# Allegro board LED_FIN.brd (continued)
## Placement (name value [footprint] x y rotation side) (continued)
D1530  0603_LED  [0603_SINGLE]  155.25 368 0 top
D1531  0603_LED  [0603_SINGLE]  97.25 366 0 top
D1532  0603_LED  [0603_SINGLE]  99.25 366 0 top
D1533  0603_LED  [0603_SINGLE]  101.25 366 0 top
D1534  0603_LED  [0603_SINGLE]  103.25 366 0 top
D1535  0603_LED  [0603_SINGLE]  105.25 366 0 top
D1536  0603_LED  [0603_SINGLE]  107.25 366 0 top
D1537  0603_LED  [0603_SINGLE]  109.25 366 0 top
D1538  0603_LED  [0603_SINGLE]  111.25 366 0 top
D1539  0603_LED  [0603_SINGLE]  113.25 366 0 top
D1540  0603_LED  [0603_SINGLE]  115.25 366 0 top
D1541  0603_LED  [0603_SINGLE]  117.25 366 0 top
D1542  0603_LED  [0603_SINGLE]  119.25 366 0 top
D1543  0603_LED  [0603_SINGLE]  121.25 366 0 top
D1544  0603_LED  [0603_SINGLE]  123.25 366 0 top
D1545  0603_LED  [0603_SINGLE]  125.25 366 0 top
D1546  0603_LED  [0603_SINGLE]  127.25 366 0 top
D1547  0603_LED  [0603_SINGLE]  129.25 366 0 top
D1548  0603_LED  [0603_SINGLE]  131.25 366 0 top
D1549  0603_LED  [0603_SINGLE]  133.25 366 0 top
D1550  0603_LED  [0603_SINGLE]  135.25 366 0 top
D1551  0603_LED  [0603_SINGLE]  137.25 366 0 top
D1552  0603_LED  [0603_SINGLE]  139.25 366 0 top
D1553  0603_LED  [0603_SINGLE]  141.25 366 0 top
D1554  0603_LED  [0603_SINGLE]  143.25 366 0 top
D1555  0603_LED  [0603_SINGLE]  145.25 366 0 top
D1556  0603_LED  [0603_SINGLE]  147.25 366 0 top
D1557  0603_LED  [0603_SINGLE]  149.25 366 0 top
D1558  0603_LED  [0603_SINGLE]  151.25 366 0 top
D1559  0603_LED  [0603_SINGLE]  153.25 366 0 top
D1560  0603_LED  [0603_SINGLE]  155.25 366 0 top
D1561  0603_LED  [0603_SINGLE]  97.25 364 0 top
D1562  0603_LED  [0603_SINGLE]  99.25 364 0 top
D1563  0603_LED  [0603_SINGLE]  101.25 364 0 top
D1564  0603_LED  [0603_SINGLE]  103.25 364 0 top
D1565  0603_LED  [0603_SINGLE]  105.25 364 0 top
D1566  0603_LED  [0603_SINGLE]  107.25 364 0 top
D1567  0603_LED  [0603_SINGLE]  109.25 364 0 top
D1568  0603_LED  [0603_SINGLE]  111.25 364 0 top
D1569  0603_LED  [0603_SINGLE]  113.25 364 0 top
D1570  0603_LED  [0603_SINGLE]  115.25 364 0 top
D1571  0603_LED  [0603_SINGLE]  117.25 364 0 top
D1572  0603_LED  [0603_SINGLE]  119.25 364 0 top
D1573  0603_LED  [0603_SINGLE]  121.25 364 0 top
D1574  0603_LED  [0603_SINGLE]  123.25 364 0 top
D1575  0603_LED  [0603_SINGLE]  125.25 364 0 top
D1576  0603_LED  [0603_SINGLE]  127.25 364 0 top
D1577  0603_LED  [0603_SINGLE]  129.25 364 0 top
D1578  0603_LED  [0603_SINGLE]  131.25 364 0 top
D1579  0603_LED  [0603_SINGLE]  133.25 364 0 top
D1580  0603_LED  [0603_SINGLE]  135.25 364 0 top
D1581  0603_LED  [0603_SINGLE]  137.25 364 0 top
D1582  0603_LED  [0603_SINGLE]  139.25 364 0 top
D1583  0603_LED  [0603_SINGLE]  141.25 364 0 top
D1584  0603_LED  [0603_SINGLE]  143.25 364 0 top
D1585  0603_LED  [0603_SINGLE]  145.25 364 0 top
D1586  0603_LED  [0603_SINGLE]  147.25 364 0 top
D1587  0603_LED  [0603_SINGLE]  149.25 364 0 top
D1588  0603_LED  [0603_SINGLE]  151.25 364 0 top
D1589  0603_LED  [0603_SINGLE]  153.25 364 0 top
D1590  0603_LED  [0603_SINGLE]  155.25 364 0 top
D1591  0603_LED  [0603_SINGLE]  97.25 362 0 top
D1592  0603_LED  [0603_SINGLE]  99.25 362 0 top
D1593  0603_LED  [0603_SINGLE]  101.25 362 0 top
D1594  0603_LED  [0603_SINGLE]  103.25 362 0 top
D1595  0603_LED  [0603_SINGLE]  105.25 362 0 top
D1596  0603_LED  [0603_SINGLE]  107.25 362 0 top
D1597  0603_LED  [0603_SINGLE]  109.25 362 0 top
D1598  0603_LED  [0603_SINGLE]  111.25 362 0 top
D1599  0603_LED  [0603_SINGLE]  113.25 362 0 top
D1600  0603_LED  [0603_SINGLE]  115.25 362 0 top
D1601  0603_LED  [0603_SINGLE]  117.25 362 0 top
D1602  0603_LED  [0603_SINGLE]  119.25 362 0 top
D1603  0603_LED  [0603_SINGLE]  121.25 362 0 top
D1604  0603_LED  [0603_SINGLE]  123.25 362 0 top
D1605  0603_LED  [0603_SINGLE]  125.25 362 0 top
D1606  0603_LED  [0603_SINGLE]  127.25 362 0 top
D1607  0603_LED  [0603_SINGLE]  129.25 362 0 top
D1608  0603_LED  [0603_SINGLE]  131.25 362 0 top
D1609  0603_LED  [0603_SINGLE]  133.25 362 0 top
D1610  0603_LED  [0603_SINGLE]  135.25 362 0 top
D1611  0603_LED  [0603_SINGLE]  137.25 362 0 top
D1612  0603_LED  [0603_SINGLE]  139.25 362 0 top
D1613  0603_LED  [0603_SINGLE]  141.25 362 0 top
D1614  0603_LED  [0603_SINGLE]  143.25 362 0 top
D1615  0603_LED  [0603_SINGLE]  145.25 362 0 top
D1616  0603_LED  [0603_SINGLE]  147.25 362 0 top
D1617  0603_LED  [0603_SINGLE]  149.25 362 0 top
D1618  0603_LED  [0603_SINGLE]  151.25 362 0 top
D1619  0603_LED  [0603_SINGLE]  153.25 362 0 top
D1620  0603_LED  [0603_SINGLE]  155.25 362 0 top
D1621  0603_LED  [0603_SINGLE]  97.25 360 0 top
D1622  0603_LED  [0603_SINGLE]  99.25 360 0 top
D1623  0603_LED  [0603_SINGLE]  101.25 360 0 top
D1624  0603_LED  [0603_SINGLE]  103.25 360 0 top
D1625  0603_LED  [0603_SINGLE]  105.25 360 0 top
D1626  0603_LED  [0603_SINGLE]  107.25 360 0 top
D1627  0603_LED  [0603_SINGLE]  109.25 360 0 top
D1628  0603_LED  [0603_SINGLE]  111.25 360 0 top
D1629  0603_LED  [0603_SINGLE]  113.25 360 0 top
D1630  0603_LED  [0603_SINGLE]  115.25 360 0 top
D1631  0603_LED  [0603_SINGLE]  117.25 360 0 top
D1632  0603_LED  [0603_SINGLE]  119.25 360 0 top
D1633  0603_LED  [0603_SINGLE]  121.25 360 0 top
D1634  0603_LED  [0603_SINGLE]  123.25 360 0 top
D1635  0603_LED  [0603_SINGLE]  125.25 360 0 top
D1636  0603_LED  [0603_SINGLE]  127.25 360 0 top
D1637  0603_LED  [0603_SINGLE]  129.25 360 0 top
D1638  0603_LED  [0603_SINGLE]  131.25 360 0 top
D1639  0603_LED  [0603_SINGLE]  133.25 360 0 top
D1640  0603_LED  [0603_SINGLE]  135.25 360 0 top
D1641  0603_LED  [0603_SINGLE]  137.25 360 0 top
D1642  0603_LED  [0603_SINGLE]  139.25 360 0 top
D1643  0603_LED  [0603_SINGLE]  141.25 360 0 top
D1644  0603_LED  [0603_SINGLE]  143.25 360 0 top
D1645  0603_LED  [0603_SINGLE]  145.25 360 0 top
D1646  0603_LED  [0603_SINGLE]  147.25 360 0 top
D1647  0603_LED  [0603_SINGLE]  149.25 360 0 top
D1648  0603_LED  [0603_SINGLE]  151.25 360 0 top
D1649  0603_LED  [0603_SINGLE]  153.25 360 0 top
D1650  0603_LED  [0603_SINGLE]  155.25 360 0 top
D1651  0603_LED  [0603_SINGLE]  97.25 358 0 top
D1652  0603_LED  [0603_SINGLE]  99.25 358 0 top
D1653  0603_LED  [0603_SINGLE]  101.25 358 0 top
D1654  0603_LED  [0603_SINGLE]  103.25 358 0 top
D1655  0603_LED  [0603_SINGLE]  105.25 358 0 top
D1656  0603_LED  [0603_SINGLE]  107.25 358 0 top
D1657  0603_LED  [0603_SINGLE]  109.25 358 0 top
D1658  0603_LED  [0603_SINGLE]  111.25 358 0 top
D1659  0603_LED  [0603_SINGLE]  113.25 358 0 top
D1660  0603_LED  [0603_SINGLE]  115.25 358 0 top
D1661  0603_LED  [0603_SINGLE]  117.25 358 0 top
D1662  0603_LED  [0603_SINGLE]  119.25 358 0 top
D1663  0603_LED  [0603_SINGLE]  121.25 358 0 top
D1664  0603_LED  [0603_SINGLE]  123.25 358 0 top
D1665  0603_LED  [0603_SINGLE]  125.25 358 0 top
D1666  0603_LED  [0603_SINGLE]  127.25 358 0 top
D1667  0603_LED  [0603_SINGLE]  129.25 358 0 top
D1668  0603_LED  [0603_SINGLE]  131.25 358 0 top
D1669  0603_LED  [0603_SINGLE]  133.25 358 0 top
D1670  0603_LED  [0603_SINGLE]  135.25 358 0 top
D1671  0603_LED  [0603_SINGLE]  137.25 358 0 top
D1672  0603_LED  [0603_SINGLE]  139.25 358 0 top
D1673  0603_LED  [0603_SINGLE]  141.25 358 0 top
D1674  0603_LED  [0603_SINGLE]  143.25 358 0 top
D1675  0603_LED  [0603_SINGLE]  145.25 358 0 top
D1676  0603_LED  [0603_SINGLE]  147.25 358 0 top
D1677  0603_LED  [0603_SINGLE]  149.25 358 0 top
D1678  0603_LED  [0603_SINGLE]  151.25 358 0 top
D1679  0603_LED  [0603_SINGLE]  153.25 358 0 top
D1680  0603_LED  [0603_SINGLE]  155.25 358 0 top
D1681  0603_LED  [0603_SINGLE]  97.25 356 0 top
D1682  0603_LED  [0603_SINGLE]  99.25 356 0 top
D1683  0603_LED  [0603_SINGLE]  101.25 356 0 top
D1684  0603_LED  [0603_SINGLE]  103.25 356 0 top
D1685  0603_LED  [0603_SINGLE]  105.25 356 0 top
D1686  0603_LED  [0603_SINGLE]  107.25 356 0 top
D1687  0603_LED  [0603_SINGLE]  109.25 356 0 top
D1688  0603_LED  [0603_SINGLE]  111.25 356 0 top
D1689  0603_LED  [0603_SINGLE]  113.25 356 0 top
D1690  0603_LED  [0603_SINGLE]  115.25 356 0 top
D1691  0603_LED  [0603_SINGLE]  117.25 356 0 top
D1692  0603_LED  [0603_SINGLE]  119.25 356 0 top
D1693  0603_LED  [0603_SINGLE]  121.25 356 0 top
D1694  0603_LED  [0603_SINGLE]  123.25 356 0 top
D1695  0603_LED  [0603_SINGLE]  125.25 356 0 top
D1696  0603_LED  [0603_SINGLE]  127.25 356 0 top
D1697  0603_LED  [0603_SINGLE]  129.25 356 0 top
D1698  0603_LED  [0603_SINGLE]  131.25 356 0 top
D1699  0603_LED  [0603_SINGLE]  133.25 356 0 top
D1700  0603_LED  [0603_SINGLE]  135.25 356 0 top
D1701  0603_LED  [0603_SINGLE]  137.25 356 0 top
D1702  0603_LED  [0603_SINGLE]  139.25 356 0 top
D1703  0603_LED  [0603_SINGLE]  141.25 356 0 top
D1704  0603_LED  [0603_SINGLE]  143.25 356 0 top
D1705  0603_LED  [0603_SINGLE]  145.25 356 0 top
D1706  0603_LED  [0603_SINGLE]  147.25 356 0 top
D1707  0603_LED  [0603_SINGLE]  149.25 356 0 top
D1708  0603_LED  [0603_SINGLE]  151.25 356 0 top
D1709  0603_LED  [0603_SINGLE]  153.25 356 0 top
D1710  0603_LED  [0603_SINGLE]  155.25 356 0 top
D1711  0603_LED  [0603_SINGLE]  97.25 354 0 top
D1712  0603_LED  [0603_SINGLE]  99.25 354 0 top
D1713  0603_LED  [0603_SINGLE]  101.25 354 0 top
D1714  0603_LED  [0603_SINGLE]  103.25 354 0 top
D1715  0603_LED  [0603_SINGLE]  105.25 354 0 top
D1716  0603_LED  [0603_SINGLE]  107.25 354 0 top
D1717  0603_LED  [0603_SINGLE]  109.25 354 0 top
D1718  0603_LED  [0603_SINGLE]  111.25 354 0 top
D1719  0603_LED  [0603_SINGLE]  113.25 354 0 top
D1720  0603_LED  [0603_SINGLE]  115.25 354 0 top
D1721  0603_LED  [0603_SINGLE]  117.25 354 0 top
D1722  0603_LED  [0603_SINGLE]  119.25 354 0 top
D1723  0603_LED  [0603_SINGLE]  121.25 354 0 top
D1724  0603_LED  [0603_SINGLE]  123.25 354 0 top
D1725  0603_LED  [0603_SINGLE]  125.25 354 0 top
D1726  0603_LED  [0603_SINGLE]  127.25 354 0 top
D1727  0603_LED  [0603_SINGLE]  129.25 354 0 top
D1728  0603_LED  [0603_SINGLE]  131.25 354 0 top
D1729  0603_LED  [0603_SINGLE]  133.25 354 0 top
D1730  0603_LED  [0603_SINGLE]  135.25 354 0 top
D1731  0603_LED  [0603_SINGLE]  137.25 354 0 top
D1732  0603_LED  [0603_SINGLE]  139.25 354 0 top
D1733  0603_LED  [0603_SINGLE]  141.25 354 0 top
D1734  0603_LED  [0603_SINGLE]  143.25 354 0 top
D1735  0603_LED  [0603_SINGLE]  145.25 354 0 top
D1736  0603_LED  [0603_SINGLE]  147.25 354 0 top
D1737  0603_LED  [0603_SINGLE]  149.25 354 0 top
D1738  0603_LED  [0603_SINGLE]  151.25 354 0 top
D1739  0603_LED  [0603_SINGLE]  153.25 354 0 top
D1740  0603_LED  [0603_SINGLE]  155.25 354 0 top
D1741  0603_LED  [0603_SINGLE]  97.25 352 0 top
D1742  0603_LED  [0603_SINGLE]  99.25 352 0 top
D1743  0603_LED  [0603_SINGLE]  101.25 352 0 top
D1744  0603_LED  [0603_SINGLE]  103.25 352 0 top
D1745  0603_LED  [0603_SINGLE]  105.25 352 0 top
D1746  0603_LED  [0603_SINGLE]  107.25 352 0 top
D1747  0603_LED  [0603_SINGLE]  109.25 352 0 top
D1748  0603_LED  [0603_SINGLE]  111.25 352 0 top
D1749  0603_LED  [0603_SINGLE]  113.25 352 0 top
D1750  0603_LED  [0603_SINGLE]  115.25 352 0 top
D1751  0603_LED  [0603_SINGLE]  117.25 352 0 top
D1752  0603_LED  [0603_SINGLE]  119.25 352 0 top
D1753  0603_LED  [0603_SINGLE]  121.25 352 0 top
D1754  0603_LED  [0603_SINGLE]  123.25 352 0 top
D1755  0603_LED  [0603_SINGLE]  125.25 352 0 top
D1756  0603_LED  [0603_SINGLE]  127.25 352 0 top
D1757  0603_LED  [0603_SINGLE]  129.25 352 0 top
D1758  0603_LED  [0603_SINGLE]  131.25 352 0 top
D1759  0603_LED  [0603_SINGLE]  133.25 352 0 top
D1760  0603_LED  [0603_SINGLE]  135.25 352 0 top
D1761  0603_LED  [0603_SINGLE]  137.25 352 0 top
D1762  0603_LED  [0603_SINGLE]  139.25 352 0 top
D1763  0603_LED  [0603_SINGLE]  141.25 352 0 top
D1764  0603_LED  [0603_SINGLE]  143.25 352 0 top
D1765  0603_LED  [0603_SINGLE]  145.25 352 0 top
D1766  0603_LED  [0603_SINGLE]  147.25 352 0 top
D1767  0603_LED  [0603_SINGLE]  149.25 352 0 top
D1768  0603_LED  [0603_SINGLE]  151.25 352 0 top
D1769  0603_LED  [0603_SINGLE]  153.25 352 0 top
D1770  0603_LED  [0603_SINGLE]  155.25 352 0 top
D1771  0603_LED  [0603_SINGLE]  97.25 350 0 top
D1772  0603_LED  [0603_SINGLE]  99.25 350 0 top
D1773  0603_LED  [0603_SINGLE]  101.25 350 0 top
D1774  0603_LED  [0603_SINGLE]  103.25 350 0 top
D1775  0603_LED  [0603_SINGLE]  105.25 350 0 top
D1776  0603_LED  [0603_SINGLE]  107.25 350 0 top
D1777  0603_LED  [0603_SINGLE]  109.25 350 0 top
D1778  0603_LED  [0603_SINGLE]  111.25 350 0 top
D1779  0603_LED  [0603_SINGLE]  113.25 350 0 top
D1780  0603_LED  [0603_SINGLE]  115.25 350 0 top
D1781  0603_LED  [0603_SINGLE]  117.25 350 0 top
D1782  0603_LED  [0603_SINGLE]  119.25 350 0 top
D1783  0603_LED  [0603_SINGLE]  121.25 350 0 top
D1784  0603_LED  [0603_SINGLE]  123.25 350 0 top
D1785  0603_LED  [0603_SINGLE]  125.25 350 0 top
D1786  0603_LED  [0603_SINGLE]  127.25 350 0 top
D1787  0603_LED  [0603_SINGLE]  129.25 350 0 top
D1788  0603_LED  [0603_SINGLE]  131.25 350 0 top
D1789  0603_LED  [0603_SINGLE]  133.25 350 0 top
D1790  0603_LED  [0603_SINGLE]  135.25 350 0 top
D1791  0603_LED  [0603_SINGLE]  137.25 350 0 top
D1792  0603_LED  [0603_SINGLE]  139.25 350 0 top
D1793  0603_LED  [0603_SINGLE]  141.25 350 0 top
D1794  0603_LED  [0603_SINGLE]  143.25 350 0 top
D1795  0603_LED  [0603_SINGLE]  145.25 350 0 top
D1796  0603_LED  [0603_SINGLE]  147.25 350 0 top
D1797  0603_LED  [0603_SINGLE]  149.25 350 0 top
D1798  0603_LED  [0603_SINGLE]  151.25 350 0 top
D1799  0603_LED  [0603_SINGLE]  153.25 350 0 top
D1800  0603_LED  [0603_SINGLE]  155.25 350 0 top
D1801  0603_LED  [0603_SINGLE]  97.25 348 0 top
D1802  0603_LED  [0603_SINGLE]  99.25 348 0 top
D1803  0603_LED  [0603_SINGLE]  101.25 348 0 top
D1804  0603_LED  [0603_SINGLE]  103.25 348 0 top
D1805  0603_LED  [0603_SINGLE]  105.25 348 0 top
D1806  0603_LED  [0603_SINGLE]  107.25 348 0 top
D1807  0603_LED  [0603_SINGLE]  109.25 348 0 top
D1808  0603_LED  [0603_SINGLE]  111.25 348 0 top
D1809  0603_LED  [0603_SINGLE]  113.25 348 0 top
D1810  0603_LED  [0603_SINGLE]  115.25 348 0 top
D1811  0603_LED  [0603_SINGLE]  117.25 348 0 top
D1812  0603_LED  [0603_SINGLE]  119.25 348 0 top
D1813  0603_LED  [0603_SINGLE]  121.25 348 0 top
D1814  0603_LED  [0603_SINGLE]  123.25 348 0 top
D1815  0603_LED  [0603_SINGLE]  125.25 348 0 top
D1816  0603_LED  [0603_SINGLE]  127.25 348 0 top
D1817  0603_LED  [0603_SINGLE]  129.25 348 0 top
D1818  0603_LED  [0603_SINGLE]  131.25 348 0 top
D1819  0603_LED  [0603_SINGLE]  133.25 348 0 top
D1820  0603_LED  [0603_SINGLE]  135.25 348 0 top
D1821  0603_LED  [0603_SINGLE]  137.25 348 0 top
D1822  0603_LED  [0603_SINGLE]  139.25 348 0 top
D1823  0603_LED  [0603_SINGLE]  141.25 348 0 top
D1824  0603_LED  [0603_SINGLE]  143.25 348 0 top
D1825  0603_LED  [0603_SINGLE]  145.25 348 0 top
D1826  0603_LED  [0603_SINGLE]  147.25 348 0 top
D1827  0603_LED  [0603_SINGLE]  149.25 348 0 top
D1828  0603_LED  [0603_SINGLE]  151.25 348 0 top
D1829  0603_LED  [0603_SINGLE]  153.25 348 0 top
D1830  0603_LED  [0603_SINGLE]  155.25 348 0 top
D1831  0603_LED  [0603_SINGLE]  97.25 346 0 top
D1832  0603_LED  [0603_SINGLE]  99.25 346 0 top
D1833  0603_LED  [0603_SINGLE]  101.25 346 0 top
D1834  0603_LED  [0603_SINGLE]  103.25 346 0 top
D1835  0603_LED  [0603_SINGLE]  105.25 346 0 top
D1836  0603_LED  [0603_SINGLE]  107.25 346 0 top
D1837  0603_LED  [0603_SINGLE]  109.25 346 0 top
D1838  0603_LED  [0603_SINGLE]  111.25 346 0 top
D1839  0603_LED  [0603_SINGLE]  113.25 346 0 top
D1840  0603_LED  [0603_SINGLE]  115.25 346 0 top
D1841  0603_LED  [0603_SINGLE]  117.25 346 0 top
D1842  0603_LED  [0603_SINGLE]  119.25 346 0 top
D1843  0603_LED  [0603_SINGLE]  121.25 346 0 top
D1844  0603_LED  [0603_SINGLE]  123.25 346 0 top
D1845  0603_LED  [0603_SINGLE]  125.25 346 0 top
D1846  0603_LED  [0603_SINGLE]  127.25 346 0 top
D1847  0603_LED  [0603_SINGLE]  129.25 346 0 top
D1848  0603_LED  [0603_SINGLE]  131.25 346 0 top
D1849  0603_LED  [0603_SINGLE]  133.25 346 0 top
D1850  0603_LED  [0603_SINGLE]  135.25 346 0 top
D1851  0603_LED  [0603_SINGLE]  137.25 346 0 top
D1852  0603_LED  [0603_SINGLE]  139.25 346 0 top
D1853  0603_LED  [0603_SINGLE]  141.25 346 0 top
D1854  0603_LED  [0603_SINGLE]  143.25 346 0 top
D1855  0603_LED  [0603_SINGLE]  145.25 346 0 top
D1856  0603_LED  [0603_SINGLE]  147.25 346 0 top
D1857  0603_LED  [0603_SINGLE]  149.25 346 0 top
D1858  0603_LED  [0603_SINGLE]  151.25 346 0 top
D1859  0603_LED  [0603_SINGLE]  153.25 346 0 top
D1860  0603_LED  [0603_SINGLE]  155.25 346 0 top
D1861  0603_LED  [0603_SINGLE]  97.25 344 0 top
D1862  0603_LED  [0603_SINGLE]  99.25 344 0 top
D1863  0603_LED  [0603_SINGLE]  101.25 344 0 top
D1864  0603_LED  [0603_SINGLE]  103.25 344 0 top
D1865  0603_LED  [0603_SINGLE]  105.25 344 0 top
D1866  0603_LED  [0603_SINGLE]  107.25 344 0 top
D1867  0603_LED  [0603_SINGLE]  109.25 344 0 top
D1868  0603_LED  [0603_SINGLE]  111.25 344 0 top
D1869  0603_LED  [0603_SINGLE]  113.25 344 0 top
D1870  0603_LED  [0603_SINGLE]  115.25 344 0 top
D1871  0603_LED  [0603_SINGLE]  117.25 344 0 top
D1872  0603_LED  [0603_SINGLE]  119.25 344 0 top
D1873  0603_LED  [0603_SINGLE]  121.25 344 0 top
D1874  0603_LED  [0603_SINGLE]  123.25 344 0 top
D1875  0603_LED  [0603_SINGLE]  125.25 344 0 top
D1876  0603_LED  [0603_SINGLE]  127.25 344 0 top
D1877  0603_LED  [0603_SINGLE]  129.25 344 0 top
D1878  0603_LED  [0603_SINGLE]  131.25 344 0 top
D1879  0603_LED  [0603_SINGLE]  133.25 344 0 top
D1880  0603_LED  [0603_SINGLE]  135.25 344 0 top
D1881  0603_LED  [0603_SINGLE]  137.25 344 0 top
D1882  0603_LED  [0603_SINGLE]  139.25 344 0 top
D1883  0603_LED  [0603_SINGLE]  141.25 344 0 top
D1884  0603_LED  [0603_SINGLE]  143.25 344 0 top
D1885  0603_LED  [0603_SINGLE]  145.25 344 0 top
D1886  0603_LED  [0603_SINGLE]  147.25 344 0 top
D1887  0603_LED  [0603_SINGLE]  149.25 344 0 top
D1888  0603_LED  [0603_SINGLE]  151.25 344 0 top
D1889  0603_LED  [0603_SINGLE]  153.25 344 0 top
D1890  0603_LED  [0603_SINGLE]  155.25 344 0 top
D1891  0603_LED  [0603_SINGLE]  97.25 342 0 top
D1892  0603_LED  [0603_SINGLE]  99.25 342 0 top
D1893  0603_LED  [0603_SINGLE]  101.25 342 0 top
D1894  0603_LED  [0603_SINGLE]  103.25 342 0 top
D1895  0603_LED  [0603_SINGLE]  105.25 342 0 top
D1896  0603_LED  [0603_SINGLE]  107.25 342 0 top
D1897  0603_LED  [0603_SINGLE]  109.25 342 0 top
D1898  0603_LED  [0603_SINGLE]  111.25 342 0 top
D1899  0603_LED  [0603_SINGLE]  113.25 342 0 top
D1900  0603_LED  [0603_SINGLE]  115.25 342 0 top
D1901  0603_LED  [0603_SINGLE]  117.25 342 0 top
D1902  0603_LED  [0603_SINGLE]  119.25 342 0 top
D1903  0603_LED  [0603_SINGLE]  121.25 342 0 top
D1904  0603_LED  [0603_SINGLE]  123.25 342 0 top
D1905  0603_LED  [0603_SINGLE]  125.25 342 0 top
D1906  0603_LED  [0603_SINGLE]  127.25 342 0 top
D1907  0603_LED  [0603_SINGLE]  129.25 342 0 top
D1908  0603_LED  [0603_SINGLE]  131.25 342 0 top
D1909  0603_LED  [0603_SINGLE]  133.25 342 0 top
D1910  0603_LED  [0603_SINGLE]  135.25 342 0 top
D1911  0603_LED  [0603_SINGLE]  137.25 342 0 top
D1912  0603_LED  [0603_SINGLE]  139.25 342 0 top
D1913  0603_LED  [0603_SINGLE]  141.25 342 0 top
D1914  0603_LED  [0603_SINGLE]  143.25 342 0 top
D1915  0603_LED  [0603_SINGLE]  145.25 342 0 top
D1916  0603_LED  [0603_SINGLE]  147.25 342 0 top
D1917  0603_LED  [0603_SINGLE]  149.25 342 0 top
D1918  0603_LED  [0603_SINGLE]  151.25 342 0 top
D1919  0603_LED  [0603_SINGLE]  153.25 342 0 top
D1920  0603_LED  [0603_SINGLE]  155.25 342 0 top
D1921  0603_LED  [0603_SINGLE]  97.25 340 0 top
D1922  0603_LED  [0603_SINGLE]  99.25 340 0 top
D1923  0603_LED  [0603_SINGLE]  101.25 340 0 top
D1924  0603_LED  [0603_SINGLE]  103.25 340 0 top
D1925  0603_LED  [0603_SINGLE]  105.25 340 0 top
D1926  0603_LED  [0603_SINGLE]  107.25 340 0 top
D1927  0603_LED  [0603_SINGLE]  109.25 340 0 top
D1928  0603_LED  [0603_SINGLE]  111.25 340 0 top
D1929  0603_LED  [0603_SINGLE]  113.25 340 0 top
D1930  0603_LED  [0603_SINGLE]  115.25 340 0 top
D1931  0603_LED  [0603_SINGLE]  117.25 340 0 top
D1932  0603_LED  [0603_SINGLE]  119.25 340 0 top
D1933  0603_LED  [0603_SINGLE]  121.25 340 0 top
D1934  0603_LED  [0603_SINGLE]  123.25 340 0 top
D1935  0603_LED  [0603_SINGLE]  125.25 340 0 top
D1936  0603_LED  [0603_SINGLE]  127.25 340 0 top
D1937  0603_LED  [0603_SINGLE]  129.25 340 0 top
D1938  0603_LED  [0603_SINGLE]  131.25 340 0 top
D1939  0603_LED  [0603_SINGLE]  133.25 340 0 top
D1940  0603_LED  [0603_SINGLE]  135.25 340 0 top
D1941  0603_LED  [0603_SINGLE]  137.25 340 0 top
D1942  0603_LED  [0603_SINGLE]  139.25 340 0 top
D1943  0603_LED  [0603_SINGLE]  141.25 340 0 top
D1944  0603_LED  [0603_SINGLE]  143.25 340 0 top
D1945  0603_LED  [0603_SINGLE]  145.25 340 0 top
D1946  0603_LED  [0603_SINGLE]  147.25 340 0 top
D1947  0603_LED  [0603_SINGLE]  149.25 340 0 top
D1948  0603_LED  [0603_SINGLE]  151.25 340 0 top
D1949  0603_LED  [0603_SINGLE]  153.25 340 0 top
D1950  0603_LED  [0603_SINGLE]  155.25 340 0 top
D1951  0603_LED  [0603_SINGLE]  97.25 338 0 top
D1952  0603_LED  [0603_SINGLE]  99.25 338 0 top
D1953  0603_LED  [0603_SINGLE]  101.25 338 0 top
D1954  0603_LED  [0603_SINGLE]  103.25 338 0 top
D1955  0603_LED  [0603_SINGLE]  105.25 338 0 top
D1956  0603_LED  [0603_SINGLE]  107.25 338 0 top
D1957  0603_LED  [0603_SINGLE]  109.25 338 0 top
D1958  0603_LED  [0603_SINGLE]  111.25 338 0 top
D1959  0603_LED  [0603_SINGLE]  113.25 338 0 top
D1960  0603_LED  [0603_SINGLE]  115.25 338 0 top
D1961  0603_LED  [0603_SINGLE]  117.25 338 0 top
D1962  0603_LED  [0603_SINGLE]  119.25 338 0 top
D1963  0603_LED  [0603_SINGLE]  121.25 338 0 top
D1964  0603_LED  [0603_SINGLE]  123.25 338 0 top
D1965  0603_LED  [0603_SINGLE]  125.25 338 0 top
D1966  0603_LED  [0603_SINGLE]  127.25 338 0 top
D1967  0603_LED  [0603_SINGLE]  129.25 338 0 top
D1968  0603_LED  [0603_SINGLE]  131.25 338 0 top
D1969  0603_LED  [0603_SINGLE]  133.25 338 0 top
D1970  0603_LED  [0603_SINGLE]  135.25 338 0 top
D1971  0603_LED  [0603_SINGLE]  137.25 338 0 top
D1972  0603_LED  [0603_SINGLE]  139.25 338 0 top
D1973  0603_LED  [0603_SINGLE]  141.25 338 0 top
D1974  0603_LED  [0603_SINGLE]  143.25 338 0 top
D1975  0603_LED  [0603_SINGLE]  145.25 338 0 top
D1976  0603_LED  [0603_SINGLE]  147.25 338 0 top
D1977  0603_LED  [0603_SINGLE]  149.25 338 0 top
D1978  0603_LED  [0603_SINGLE]  151.25 338 0 top
D1979  0603_LED  [0603_SINGLE]  153.25 338 0 top
D1980  0603_LED  [0603_SINGLE]  155.25 338 0 top
D1981  0603_LED  [0603_SINGLE]  97.25 336 0 top
D1982  0603_LED  [0603_SINGLE]  99.25 336 0 top
D1983  0603_LED  [0603_SINGLE]  101.25 336 0 top
D1984  0603_LED  [0603_SINGLE]  103.25 336 0 top
D1985  0603_LED  [0603_SINGLE]  105.25 336 0 top
D1986  0603_LED  [0603_SINGLE]  107.25 336 0 top
D1987  0603_LED  [0603_SINGLE]  109.25 336 0 top
D1988  0603_LED  [0603_SINGLE]  111.25 336 0 top
D1989  0603_LED  [0603_SINGLE]  113.25 336 0 top
D1990  0603_LED  [0603_SINGLE]  115.25 336 0 top
D1991  0603_LED  [0603_SINGLE]  117.25 336 0 top
D1992  0603_LED  [0603_SINGLE]  119.25 336 0 top
D1993  0603_LED  [0603_SINGLE]  121.25 336 0 top
D1994  0603_LED  [0603_SINGLE]  123.25 336 0 top
D1995  0603_LED  [0603_SINGLE]  125.25 336 0 top
D1996  0603_LED  [0603_SINGLE]  127.25 336 0 top
D1997  0603_LED  [0603_SINGLE]  129.25 336 0 top
D1998  0603_LED  [0603_SINGLE]  131.25 336 0 top
D1999  0603_LED  [0603_SINGLE]  133.25 336 0 top
D2000  0603_LED  [0603_SINGLE]  135.25 336 0 top
D2001  0603_LED  [0603_SINGLE]  137.25 336 0 top
D2002  0603_LED  [0603_SINGLE]  139.25 336 0 top
D2003  0603_LED  [0603_SINGLE]  141.25 336 0 top
D2004  0603_LED  [0603_SINGLE]  143.25 336 0 top
D2005  0603_LED  [0603_SINGLE]  145.25 336 0 top
D2006  0603_LED  [0603_SINGLE]  147.25 336 0 top
D2007  0603_LED  [0603_SINGLE]  149.25 336 0 top
D2008  0603_LED  [0603_SINGLE]  151.25 336 0 top
D2009  0603_LED  [0603_SINGLE]  153.25 336 0 top
D2010  0603_LED  [0603_SINGLE]  155.25 336 0 top
D2011  0603_LED  [0603_SINGLE]  97.25 334 0 top
D2012  0603_LED  [0603_SINGLE]  99.25 334 0 top
D2013  0603_LED  [0603_SINGLE]  101.25 334 0 top
D2014  0603_LED  [0603_SINGLE]  103.25 334 0 top
D2015  0603_LED  [0603_SINGLE]  105.25 334 0 top
D2016  0603_LED  [0603_SINGLE]  107.25 334 0 top
D2017  0603_LED  [0603_SINGLE]  109.25 334 0 top
D2018  0603_LED  [0603_SINGLE]  111.25 334 0 top
D2019  0603_LED  [0603_SINGLE]  113.25 334 0 top
D2020  0603_LED  [0603_SINGLE]  115.25 334 0 top
D2021  0603_LED  [0603_SINGLE]  117.25 334 0 top
D2022  0603_LED  [0603_SINGLE]  119.25 334 0 top
D2023  0603_LED  [0603_SINGLE]  121.25 334 0 top
D2024  0603_LED  [0603_SINGLE]  123.25 334 0 top
D2025  0603_LED  [0603_SINGLE]  125.25 334 0 top
D2026  0603_LED  [0603_SINGLE]  127.25 334 0 top
D2027  0603_LED  [0603_SINGLE]  129.25 334 0 top
D2028  0603_LED  [0603_SINGLE]  131.25 334 0 top
D2029  0603_LED  [0603_SINGLE]  133.25 334 0 top
D2030  0603_LED  [0603_SINGLE]  135.25 334 0 top
D2031  0603_LED  [0603_SINGLE]  137.25 334 0 top
D2032  0603_LED  [0603_SINGLE]  139.25 334 0 top
D2033  0603_LED  [0603_SINGLE]  141.25 334 0 top
D2034  0603_LED  [0603_SINGLE]  143.25 334 0 top
D2035  0603_LED  [0603_SINGLE]  145.25 334 0 top
D2036  0603_LED  [0603_SINGLE]  147.25 334 0 top
D2037  0603_LED  [0603_SINGLE]  149.25 334 0 top
D2038  0603_LED  [0603_SINGLE]  151.25 334 0 top
D2039  0603_LED  [0603_SINGLE]  153.25 334 0 top
